# Allegro board LAY-27392_C.brd (continued)
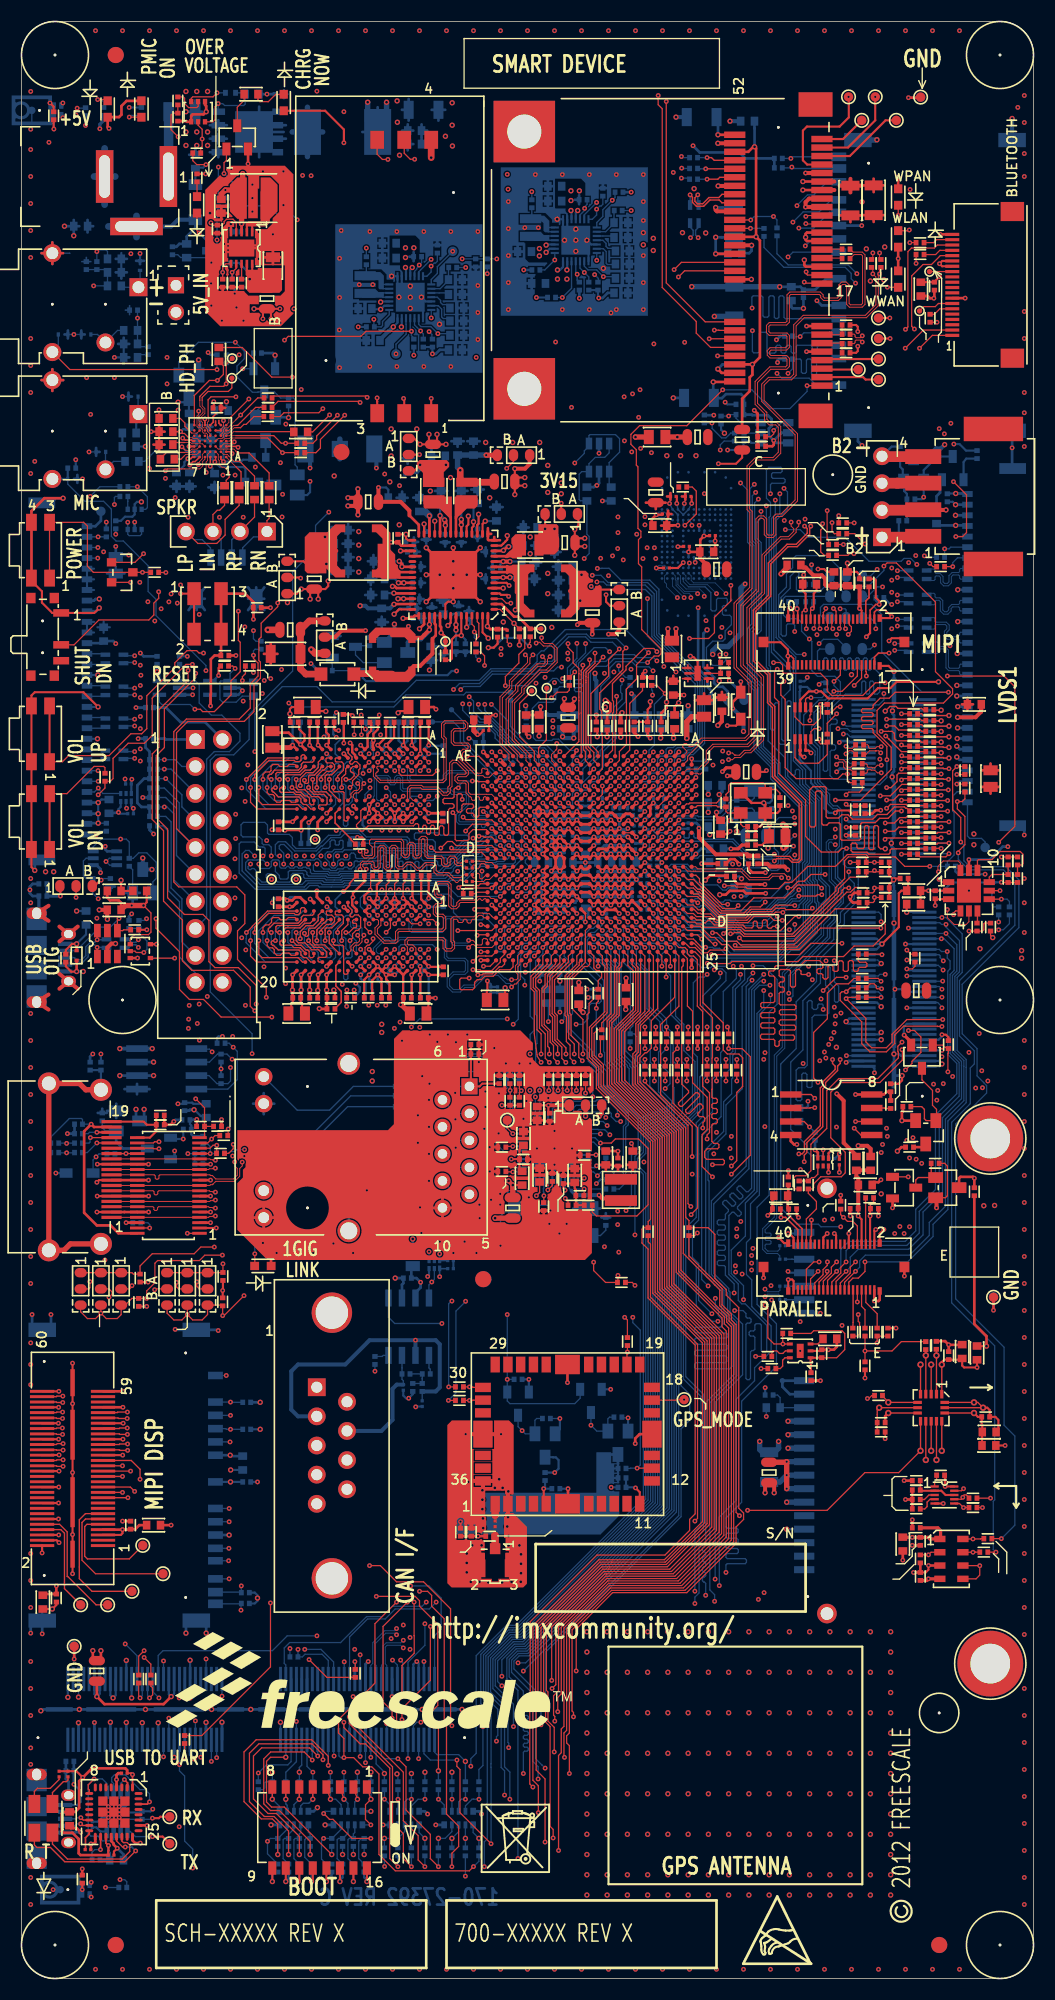
[diagram p0: board, top side]
## Nets (continued)
JTAG_NTRST: J6.3 R603.2 U1.C2(J\T\A\G\_\T\R\S\T\)
JTAG_PWR: J6.2 SH502.2
JTAG_RTCK: J6.11 R609.1
JTAG_TCK: J6.9 R608.1 U1.H5(JTAG_TCK)
JTAG_TDI: J6.5 R606.2 U1.G5(JTAG_TDI)
JTAG_TDO: J6.13 R611.2 U1.G6(JTAG_TDO)
JTAG_TMS: J6.7 R607.2 U1.C3(JTAG_TMS)
JTAG_VREF: J6.1 R601.2
KEY_COL4: J508.50 R36.1 R211.1 U1.T6(KEY_COL4)
KEY_COL5: J508.52 R661.1 U1.P5(GPIO_19)
KEY_COL6: J508.56 R597.1 U1.T2(GPIO_9)
KEY_COL7: J508.58 R594.1 U1.R6(GPIO_4)
KEY_ROW2: R652.1 U1.W4(KEY_ROW2)
KEY_ROW4: J508.79 R210.1 R676.1 U1.V5(KEY_ROW4)
KEY_ROW5: J508.81 R300.1 U1.T4(GPIO_1)
KEY_ROW6: J508.35 R209.1 R588.1 U1.T1(GPIO_2)
KEY_ROW7: J508.27 R66.1 U1.R4(GPIO_5)
KEY_VOL_DN: R66.2 SW5.1 SW5.3
KEY_VOL_UP: R594.2 SW4.1 SW4.3
LCD_I2C_SCL: J504.31 R116.2
LCD_I2C_SDA: J504.29 R117.2
LD_WLAN_B: D7.C(CATHODE) R506.1
LD_WPAN_B: D6.C(CATHODE) R504.1
LD_WWAN_B: D8.C(CATHODE) R509.1
LDO_REG_FB: R34.1 R35.2 U9.5(ADJ)
LDO_REG_IN: C32.1 R32.2 U9.1(BIAS) U9.3(IN) U9.6(S\H\D\N\)
LDO_REG_OUT: C33.1 R35.1 R208.1 R598.3 U9.4(OUT)
LDO_USB_IN: C651.1 R301.2 R302.2 U1.D10(USB_H1_VBUS)
LED_1000_O: D11.A(ANODE) R641.2
LED_WLAN_B: J1.44(LED_WLAN#) R506.2
LED_WPAN_B: J1.46(LED_WPAN#) R504.2
LED_WWAN_B: J1.42(LED_WWAN#) R509.2
LRCLK1: R13.2 U7.D3(LRCLK)
LVDS0_5V: C598.1 J503.20 J503.21 J503.24 J503.25 J503.26 R582.2
LVDS0_CLK_N: L515.1 U1.V4(LVDS0_CLK_N)
LVDS0_CLK_NEG: J503.17 L515.2
LVDS0_CLK_P: L515.4 U1.V3(LVDS0_CLK_P)
LVDS0_CLK_POS: J503.18 L515.3
LVDS0_EDID_SCL: J503.6 R174.2
LVDS0_EDID_SDA: J503.7 R176.2
LVDS0_TOUCH_SCL: J503.27 R172.2
LVDS0_TOUCH_SDA: J503.28 R177.2
LVDS0_TX0_N: L518.1 U1.U2(LVDS0_TX0_N)
LVDS0_TX0_NEG: J503.8 L518.2
LVDS0_TX0_P: L518.4 U1.U1(LVDS0_TX0_P)
LVDS0_TX0_POS: J503.9 L518.3
LVDS0_TX1_N: L517.1 U1.U4(LVDS0_TX1_N)
LVDS0_TX1_NEG: J503.11 L517.2
LVDS0_TX1_P: L517.4 U1.U3(LVDS0_TX1_P)
LVDS0_TX1_POS: J503.12 L517.3
LVDS0_TX2_N: L516.1 U1.V2(LVDS0_TX2_N)
LVDS0_TX2_NEG: J503.14 L516.2
LVDS0_TX2_P: L516.4 U1.V1(LVDS0_TX2_P)
LVDS0_TX2_POS: J503.15 L516.3
LVDS1_5V: C34.1 J502.20 J502.21 J502.24 J502.25 J502.26 R68.2
LVDS1_CLK_N: L514.1 U1.Y3(LVDS1_CLK_N)
LVDS1_CLK_NEG: J502.17 L514.2
LVDS1_CLK_P: L514.4 U1.Y4(LVDS1_CLK_P)
LVDS1_CLK_POS: J502.18 L514.3
LVDS1_EDID_SCL: J502.6 R580.2
LVDS1_EDID_SDA: J502.7 R23.2
LVDS1_TOUCH_SCL: J502.27 R63.2
LVDS1_TOUCH_SDA: J502.28 R71.2
LVDS1_TX0_N: L511.1 U1.Y1(LVDS1_TX0_N)
LVDS1_TX0_NEG: J502.8 L511.2
LVDS1_TX0_P: L511.4 U1.Y2(LVDS1_TX0_P)
LVDS1_TX0_POS: J502.9 L511.3
LVDS1_TX1_N: L512.1 U1.AA2(LVDS1_TX1_N)
LVDS1_TX1_NEG: J502.11 L512.2
LVDS1_TX1_P: L512.4 U1.AA1(LVDS1_TX1_P)
LVDS1_TX1_POS: J502.12 L512.3
LVDS1_TX2_N: L513.1 U1.AB1(LVDS1_TX2_N)
LVDS1_TX2_NEG: J502.14 L513.2
LVDS1_TX2_P: L513.4 U1.AB2(LVDS1_TX2_P)
LVDS1_TX2_POS: J502.15 L513.3
LVDS_2V5: C39.1 C632.1 R600.2 U1.V7(NVCC_LVDS2P5)
MCLK_1V8: R158.2 R159.2 U15.4(B)
MECHPAD: CON500.5(SIDE1) CON500.6(SIDE2)
MIC: C14.1 L509.1
MIC_IN: C14.2 U7.F6(IN3R)
MIC_RAW: J4.4 L509.2 TVS504.2(A2)
MICBIAS: C549.1 R564.2 U7.A4(MICBIAS)
MICBIAS2_FLT: L507.1 R564.1
MICBIAS2_RAW: J4.1 L507.2 TVS503.2(A2)
MICROPHONE_DET: J4.6 R568.2 R597.2 TVS505.2(A2)
MIPI_I2C_SCL: J11.21 R173.2
MIPI_I2C_SDA: J11.23 R175.2
MPCIE_1V5: C503.1 C535.1 J1.6(1.5V_1) J1.28(1.5V_2) J1.48(1.5V_3) SH2.2
MPCIE_3V3: C2.1 C3.1 C16.1 C502.1 C516.1 C522.1 C537.1 C538.2 D6.A(ANODE) D7.A(ANODE) D8.A(ANODE) J1.2(3.3V_1) J1.24(+3.3VAUX) J1.39(RESERVED4) J1.41(RESERVED5) J1.52(3.3V_2) R560.2 U508.2(V_OUT_C1_2) U508.3(V_OUT_C1_1)
MX6_ONOFF: R22.1 U1.D12(ONOFF)
NVCC_3V3: C630.1 C636.1 C684.1 C693.1 C709.1 C725.1 R727.2 U1.G14(NVCC_SD3) U1.G15(NVCC_NANDF) U1.G17(NVCC_SD2) U1.J7(NVCC_JTAG) U1.P7(NVCC_GPIO) U1.P19(NVCC_LCD)
NVCC_CSI: C629.1 R45.2 U1.N7(NVCC_CSI)
NVCC_EIM: C69.1 C724.1 C730.1 R625.2 U1.K19(NVCC_EIM0) U1.L19(NVCC_EIM1) U1.M19(NVCC_EIM2)
NVCC_MIPI: C637.1 R47.2 U1.K7(NVCC_MIPI)
NVCC_PLL_OUT: C605.1 C628.1 R208.2 U1.E8(NVCC_PLL_OUT)
NVCC_RGMII: C723.1 SH23.2 U1.G18(NVCC_RGMII)
NVCC_SD1: C695.1 R104.2 U1.G16(NVCC_SD1)
ONFET_CTL: D4.2(A2) R572.1 U509.3(G2) U509.6(D1)
OTG_PWR_ON: Q512.2(GATE2) Q512.3(DRAIN1) R103.2
OTG_PWR_ON_B: Q512.6(DRAIN2) Q513.1(GATE) R615.2
OTG_SHELL_GND: C697.1 J505.S1(SHLD1) J505.S2(SHLD2) J505.S3(SHLD3) J505.S4(SHLD4) R620.1
OTG_VBUS: C61.1 C62.1 L15.1 Q513.2(SOURCE) Q514.2(SOURCE) R615.1 R617.1 R644.1 U13.1(OE) U515.5(OUTB)
OTG_VBUS_CHGR: C528.1 C529.1 Q513.3(DRAIN) R534.1 R535.1 R537.1 R538.1
OVPROT_5V: D501.C D502.A(ANODE) Q6.5(D)
OVPROT_5VA: D503.C(CATHODE) R3.1 R505.2
OVPROT_5VB: Q1.2(BASE) R3.2
OVPROT_5VC: D500.A(ANODE) Q1.6(COLLECTOR) R520.2
OVPROT_5VD: Q1.5(BASE) R1.2
OVPROT_5VE: D500.C(CATHODE) Q1.3(COLLECTOR) Q6.4(G) R500.1
OVRPRTC: Q503.1(GATE) R520.1 R524.1
OVRPRTC_LED: D5.C(CATHODE) Q503.3(DRAIN)
OVRPRTC_LED_PWR: D5.A(ANODE) R303.2
PCI3_UIM_CLK: CON1.3(CLK) J1.12(UIM_CLK)
PCIE_CREFCLKM: C12.2 J1.11(REFCLK-) R8.1
PCIE_CREFCLKP: C11.2 J1.13(REFCLK+) R6.1
PCIE_CRXM: C7.2 J1.23(PERN0)
PCIE_CRXP: C6.2 J1.25(PERP0)
PCIE_CTXM: C4.2 J1.31(PETN0)
PCIE_CTXP: C5.2 J1.33(PETP0)
PCIE_DIS_B: J1.20(W_DISABLE#) R36.2
PCIE_PWR_EN: R123.1 R563.1
PCIE_PWR_ON: R559.1 R562.2 R563.2 U508.5(ON_OFF)
PCIE_PWR_R1: C538.1 R567.2 U508.6(R1_C1)
PCIE_PWR_R2: R15.1 U508.1(R2)
PCIE_REXT: R604.1 U1.A2(PCIE_REXT)
PCIE_RST_B: J1.22(PERST#) R596.2
PCIE_RXM: C7.1 U1.B1(PCIE_RXM)
PCIE_RXP: C6.1 U1.B2(PCIE_RXP)
PCIE_SMB_CLK: J1.30(SMB_CLK) R521.2
PCIE_SMB_DATA: J1.32(SMB_DATA) R517.2
PCIE_TXM: C4.1 U1.A3(PCIE_TXM)
PCIE_TXP: C5.1 U1.B3(PCIE_TXP)
PCIE_UIM_DATA: CON1.6(I/O) J1.10(UIM_DATA)
PCIE_UIM_PWR: CON1.1(VCC) J1.8(UIM_PWR)
PCIE_UIM_RST: CON1.2(RESET) J1.14(UIM_RESET)
PCIE_UIM_VPP: CON1.5(VPP) J1.16(UIM_VPP)
PCIE_USB_DM: J1.36(USB_D-) L500.2
PCIE_USB_DP: J1.38(USB_D+) L500.3
PCIE_VP: C608.1 C635.1 R49.2 U1.H7(PCIE_VP)
PCIE_VPH: C607.1 C626.1 R50.2 U1.G7(PCIE_VPH)
PCIE_VPTX: C606.1 C640.1 L13.2 U1.G8(PCIE_VPTX)
PCIE_WAKE_B: J1.1(WAKE#) U1.P3(CSI0_DATA_EN)
PENIRQ_B: R110.2 U11.6(T\I\R\Q\)
PHY_CLKO: R626.1 U516.25(CLK_25M)
PHY_RST: R161.2 R659.2 U516.2(R\S\T\)
PHY_RX_CLK: R146.1 R634.2 U516.33(RX_CLK)
PHY_XTLI: C750.1 U516.7(XTLI) Y500.3
PHY_XTLO: C748.1 U516.6(XTLO) Y500.1
PMIC_5V: C742.1 C743.1 R68.1 R302.1 SH14.1 SH15.1 U16.1(5V_SUPPLY) U515.7(IN)
PMIC_INT_B: R28.2 U1.P6(GPIO_18) U8.1(INTB)
PMIC_LED_ON: D2.A(ANODE) R507.2
PMIC_ON_REQ: R30.2 R572.2 U1.D11(PMIC_ON_REQ) U509.2(S2)
PMIC_SCL: R306.2 U8.54(SCL)
PMIC_SDA: R550.2 U8.53(SDA)
PMIC_STBY_REQ: U1.F11(PMIC_STBY_REQ) U8.4(STANDBY)
PMIC_VCORE: C592.1 U8.49(VCORE)
PMIC_VCOREREF: C594.1 U8.52(VCOREREF)
PMIC_VDDOTP: C601.1 R33.2 R591.1 TP14.1(PIN1) U8.47(VDDOTP)
PMIC_VHALF: C24.2 C565.1 U8.29(VHALF)
PMIC_VSNVS: C596.1 R598.1 U8.43(VSNVS)
POR_B: U1.C11(P\O\R\) U8.3(RESETBMCU) U513.4(Y)
PWR_BTN_SNS: D4.1(A1) U1.J19(EIM_D29)
PWR_LED: D1.A(ANODE) R501.2
PWRON: C597.1 R30.1 R31.2 R304.2 R571.1 SW2.3 SW2.4 U8.56(PWRON) U507.4(Y) U509.1(G1) U509.4(D2)
RAW_3V3: L510.1 Q509.3(DRAIN)
RAW_4V2: L508.1 Q506.3(DRAIN)
RGMII_INT: R163.2 U1.W22(ENET_RXD1) U516.5(INT)
RGMII_LED_10_100: C741.1 R640.1 U516.26(LED_LINK10_100)
RGMII_LED_1000: C740.1 R141.1 R148.2 R641.1 U516.24(LED_LINK1000)
RGMII_LED_ACT: C739.1 R140.1 R147.2 R642.1 U516.23(LED_ACT)
RGMII_MDC: U1.V20(ENET_MDC) U516.1(MDC)
RGMII_MDIO: R657.2 U1.V23(ENET_MDIO) U516.48(MDIO)
RGMII_NRST: R659.1 U1.U21(ENET_CRS_DV)
RGMII_RXCLK: R634.1 U1.B25(RGMII_RXC)
RGMII_RXD0: R144.1 R636.2 U1.C24(RGMII_RD0) U516.31(RXD0)
RGMII_RXD1: R143.1 R638.2 U1.B23(RGMII_RD1) U516.30(RXD1)
RGMII_RXD2: R142.1 U1.B24(RGMII_RD2) U516.28(RXD2)
RGMII_RXD3: R631.1 U1.D23(RGMII_RD3) U516.27(RXD3)
RGMII_RXDV: R145.1 U1.D22(RGMII_RX_CTL) U516.32(RX_DV)
RGMII_TRXN0: J7.9(TRD1-) U516.12(TRXN0)
RGMII_TRXN1: J7.8(TRD2-) U516.15(TRXN1)
RGMII_TRXN2: J7.7(TRD3-) U516.18(TRXN2)
RGMII_TRXN3: J7.6(TRD4-) U516.21(TRXN3)
RGMII_TRXP0: J7.5(TRD1+) U516.11(TRXP0)
RGMII_TRXP1: J7.4(TRD2+) U516.14(TRXP1)
RGMII_TRXP2: J7.3(TRD3+) U516.17(TRXP2)
RGMII_TRXP3: J7.2(TRD4+) U516.20(TRXP3)
RGMII_TXCLK: U1.D21(RGMII_TXC) U516.35(GTX_CLK)
RGMII_TXD0: U1.C22(RGMII_TD0) U516.36(TXD0)
RGMII_TXD1: U1.F20(RGMII_TD1) U516.37(TXD1)
RGMII_TXD2: U1.E21(RGMII_TD2) U516.38(TXD2)
RGMII_TXD3: U1.A24(RGMII_TD3) U516.39(TXD3)
RGMII_TXEN: U1.C23(RGMII_TX_CTL) U516.34(TX_EN)
RJ45_LED_10_100: J7.11(LEDGA) R640.2
RJ45_LED_ACT: J7.13(LEDYA) R642.2
RSVD: J506.P11(RSVD)
RTC_XTALI: C624.1 QZ500.1 R610.1 U1.D9(RTC_XTALI)
RTC_XTALO: C639.1 QZ500.2 R610.2 U1.C9(RTC_XTALO)
RXD232: U22.2(RXD) U519.3(2Y)
RXLED: D12.2(CATHODE1) U22.21(CBUS1)
SATA_5V_CON: C762.1 J506.P7(5V_1) J506.P8(5V_2) J506.P9(5V_3) SH25.2
SATA_DEVSLP: R676.2 SH505.1
SATA_DS: J506.P3(3V3_3) R666.2 SH505.2
SATA_RET: J506.P1(3V3_1) J506.P2(3V3_2) TP507.1(PIN1)
SATA_REXT: R619.1 U1.C14(SATA_REXT)
SATA_RXN: C756.1 U1.A14(SATA_RXM)
SATA_RXN_CON: C756.2 J506.S5(RXN)
SATA_RXP: C757.1 U1.B14(SATA_RXP)
SATA_RXP_CON: C757.2 J506.S6(RXP)
SATA_TXN: C752.1 U1.B12(SATA_TXM)
SATA_TXN_CON: C752.2 J506.S3(TXN)
SATA_TXP: C751.1 U1.A12(SATA_TXP)
SATA_TXP_CON: C751.2 J506.S2(TXP)
SATA_VP: C678.1 C681.1 R96.2 U1.G13(SATA_VP)
SATA_VPH: C668.1 C673.1 R87.2 U1.G12(SATA_VPH)
SD2_3V3: C524.1 C525.1 C769.1 J500.4(VDD) R17.2 R502.1 R503.1 R544.1 SH3.2
SD2_CD_B: J500.14(CD) R503.2 U1.F16(NANDF_D2)
SD2_CLK: J500.5(CLK) U1.C21(SD2_CLK)
SD2_CMD: J500.2(CMD) R544.2 U1.F19(SD2_CMD)
SD2_DATA0: J500.7(DAT0) U1.A22(SD2_DAT0)
SD2_DATA1: J500.8(DAT1) U1.E20(SD2_DAT1)
SD2_DATA2: J500.9(DAT2) U1.A23(SD2_DAT2)
SD2_DATA3: J500.1(DAT3) R549.1 U1.B22(SD2_DAT3)
SD2_DATA4: J500.10(DAT4) U1.A19(NANDF_D4)
SD2_DATA5: J500.11(DAT5) U1.B18(NANDF_D5)
SD2_DATA6: J500.12(DAT6) U1.E17(NANDF_D6)
SD2_DATA7: J500.13(DAT7) U1.C18(NANDF_D7)
SD2_WP: J500.15(WP) R502.2 U1.D17(NANDF_D3)
SD3_CD_B: J507.14(CD) R674.2 U1.A18(NANDF_D0)
SD3_CLK: J507.5(CLK) U1.D14(SD3_CLK)
SD3_CMD: J507.2(CMD) R670.2 U1.B13(SD3_CMD)
SD3_DATA0: J507.7(DAT0) U1.E14(SD3_DAT0)
SD3_DATA1: J507.8(DAT1) U1.F14(SD3_DAT1)
SD3_DATA2: J507.9(DAT2) U1.A15(SD3_DAT2)
SD3_DATA3: J507.1(DAT3) R667.1 U1.B15(SD3_DAT3)
SD3_DATA4: J507.10(DAT4) U1.D13(SD3_DAT4)
SD3_DATA5: J507.11(DAT5) U1.C13(SD3_DAT5)
SD3_DATA6: J507.12(DAT6) U1.E13(SD3_DAT6)
SD3_DATA7: J507.13(DAT7) U1.F13(SD3_DAT7)
SD3_RST: R553.2 U1.D15(SD3_RST)
SD3_WP: J507.15(WP) R675.2 U1.C17(NANDF_D1)
SD4_CLK: U1.E16(SD4_CLK) U512.W6(CLK)
SD4_CMD: R20.2 U1.B17(SD4_CMD) U512.W5(CMD)
SD4_DATA0: U1.D18(SD4_DAT0) U512.H3(DAT0)
SD4_DATA1: U1.B19(SD4_DAT1) U512.H4(DAT1)
SD4_DATA2: U1.F17(SD4_DAT2) U512.H5(DAT2)
SD4_DATA3: U1.A20(SD4_DAT3) U512.J2(DAT3)
SD4_DATA4: U1.E18(SD4_DAT4) U512.J3(DAT4)
SD4_DATA5: U1.C19(SD4_DAT5) U512.J4(DAT5)
SD4_DATA6: U1.B20(SD4_DAT6) U512.J5(DAT6)
SD4_DATA7: U1.D19(SD4_DAT7) U512.J6(DAT7)
SDWNB: R29.2 TP13.1(PIN1) U8.2(SDWNB)
SEN_1V8: L20.1 R160.1
SEN_3V3: L21.1 R155.1 R191.1 R197.1 R201.1
SENS1V8_ON: Q4.3(DRAIN) Q5.1(GATE) R156.2
SENS3V3_ON: Q2.3(DRAIN) Q3.1(GATE) R150.2
SENSOR1V8: Q5.3(DRAIN) R160.2
SENSOR3V3: Q3.3(DRAIN) R155.2
SENSOR_PWR_EN: Q2.1(GATE) Q4.1(GATE) R130.1 R136.1
SHUTDOWN: R1.1 R2.2 SW3.2(COM)
SPDIF_CLK: J504.38 R114.1 U1.R3(GPIO_7)
SPDIF_OUT: J504.40 R596.1 U1.R1(GPIO_17)
SPI_NOR_HOLD_B: R149.2 U14.7(H\O\L\D\)
SPI_NOR_WP: R643.2 R646.1 U14.3(W\/VPP)
SPINOR_CLK: R213.1 R590.1 U14.6(C)
SPINOR_CS0: R214.1 R583.1 U14.1(S\)
SPINOR_MISO: R215.1 R584.1 U14.2(Q)
SPINOR_MOSI: R212.1 R586.1 U14.5(D)
SPKLN: CON4.3 CON500.3 L4.2
SPKLP: CON4.4 CON500.4 L5.2
SPKOUTLN: L4.1 U7.B3(SPKOUTLN)
SPKOUTLP: L5.1 U7.A1(SPKOUTLP)
SPKOUTRN: L7.1 U7.C3(SPKOUTRN)
SPKOUTRP: L6.1 U7.B2(SPKOUTRP)
SPKRN: CON4.1 CON500.1 L7.2
SPKRP: CON4.2 CON500.2 L6.2
SPKVDD: C541.1 L508.2 U7.A2(SPKVDD1) U7.C2(SPKVDD2)
SW1CLX: L8.1 U8.11(SW1CLX)
SW1LX: L11.1 U8.8(SW1ALX) U8.9(SW1BLX)
SW2LX: L2.1 U8.22(SW2LX)
SW3_1V5: C560.1 C566.1 C571.1 C577.1 L9.2 R25.1 SH12.3
SW3LX: L9.1 U8.35(SW3BLX) U8.36(SW3ALX)
SW4LX: L3.1 U8.21(SW4LX)
SWBST_5V: C31.1 D9.C SH14.3 SH15.2
SWBST_FB: SH14.2 U8.44(SWBSTFB)
SWBST_PWR_EN: Q510.1(GATE) R592.2 R632.2
SWBST_SUP: C589.1 C593.1 L12.2 Q511.3(DRAIN) U8.45(SWBSTIN)
SWBST_SW: Q510.3(DRAIN) Q511.1(GATE) R589.2
SWBSTLX: D9.A L12.1 U8.46(SWBSTLX)
SYS_4V2: C10.1 C116.1 C117.1 C501.1 C505.1 C506.1 C520.1 C521.1 C530.1 C551.1 C552.1 C563.1 C564.1 C568.1 C569.1 C572.1 C573.1 C575.1 C576.1 C578.1 C579.1 C580.1 C582.1 C586.1 C599.1 D502.C(CATHODE) J11.5 J11.7 J508.65 J508.67 J508.69 J508.71 L1.1 Q506.2(SOURCE) Q511.2(SOURCE) R32.1 R83.1 R501.1 R557.1 R589.1 SH22.1 SH26.1 U6.3(BATT) U8.7(SW1AIN) U8.10(SW1BIN) U8.12(SW1CIN) U8.20(SW4IN) U8.23(SW2IN_1) U8.24(SW2IN_2) U8.34(SW3BIN) U8.37(SW3AIN) U8.40(VIN3) U8.50(VIN) U502.23(SYS2) U502.24(SYS1) U503.23(SYS2) U503.24(SYS1)
TAMPER: R97.2 R98.1 U1.E11(TAMPER)
TEST_MODE: R94.2 R95.1 U1.E12(TEST_MODE)
TP7: J11.9 TP21.1(PIN1)
TP8: J11.10 TP25.1(PIN1)
TP9: J11.11 TP22.1(PIN1)
TP10: J11.8 TP24.1(PIN1)
TP11: J11.13 TP23.1(PIN1)
TP23: J503.30 TP503.1(PIN1)
TP25: TP18.1(PIN1) U516.22(PPS)
TP26: J1.5(RESERVED2) TP9.1(PIN1)
TP27: J1.7(CLKREQ#) TP8.1(PIN1)
TP28: J1.3(RESERVED1) TP12.1(PIN1)
TP29: J1.17(RESERVED/UIM_C8) TP7.1(PIN1)
TP30: J1.19(RESERVED/UIM_C4) TP6.1(PIN1)
TP31: J1.45(RESERVED7) TP2.1(PIN1)
TP31_16767721: TP31.1(PIN1) U1.W1(LVDS0_TX3_P)
TP32: J1.47(RESERVED8) TP5.1(PIN1)
TP32_16767721: TP32.1(PIN1) U1.W2(LVDS0_TX3_N)
TP33: J1.49(RESERVED9) TP4.1(PIN1)
TP34: J1.51(RESERVED10) TP3.1(PIN1)
TP35: J502.30 TP504.1(PIN1)
TP38: TP502.1(PIN1) U503.19(U\O\K\)
TP40: TP501.1(PIN1) U503.8(D\O\K\)
TP509: TP509.1(PIN1) U1.AA3(LVDS1_TX3_N)
TP510: TP510.1(PIN1) U1.AA4(LVDS1_TX3_P)
TP_404: C80.1 C81.1 C82.1 J7.1(TRDCT1/2/3/4) TP505.1(PIN1)
TS_A0: R92.1 R101.2 U11.9(A0)
TS_A1: R93.1 R102.2 U11.10(A1)
TS_INT: R110.1 R111.2 R128.1
TS_PWR_ON: Q507.1(GATE) R566.2
TS_SCL: R622.2 U11.8(SCL)
TS_SDA: R621.2 U11.7(SDA)
TS_XN: J504.101 J508.101 R55.2
TS_XP: J504.99 J508.99 R58.2
TS_YN: J504.97 J508.97 R61.2
TS_YP: J504.95 J508.95 R64.2
TXD233: U22.30(TXD) U519.2(1A)
TXLED: D12.4(CATHODE2) U22.22(CBUS0)
UART1_RX: R694.2 TP27.1(PIN1) U1.M3(CSI0_DAT11) U519.6(1Y)
UART1_TX: TP28.1(PIN1) U1.M1(CSI0_DAT10) U519.5(2A)
UART3_RXD: R126.1 R192.1
UART3_TXD: R127.1 R194.1
UOK_B: R542.2 U1.W21(ENET_RXD0) U13.4(Y) U502.19(U\O\K\)
USB_BAT_CHG: R103.3 R617.2
USB_CBL_ATT: R723.2 R724.1 U13.2(A)
USB_H1_OC: R134.1 R629.2 U515.2(\\F\L\G\A\)
USB_H1_PWR_EN: U1.W20(ENET_TXD1) U515.1(ENA)
USB_H1_VBUS: R301.1 U515.8(OUTA)
USB_HOST_DN: L500.1 U1.F10(USB_H1_DN)
USB_HOST_DP: L500.4 U1.E10(USB_H1_DP)
USB_OTG_CHG_DE: Q512.5(GATE1) R618.1
USB_OTG_CON_DN: J505.2(P2) L520.2 U12.1(I/O1)
USB_OTG_CON_DP: J505.3(P3) L520.3 U12.6(I/O6)
USB_OTG_CON_GND: C66.2 J505.5(P5) L519.2 TVS1.2(A2)
USB_OTG_CON_VBUS: C66.1 J505.1(P1) L15.2 TVS1.1(A1)
USB_OTG_DN: L520.1 U1.B6(USB_OTG_DN)
USB_OTG_DP: L520.4 U1.A6(USB_OTG_DP)
USB_OTG_ID: J505.4(P4) R112.2 U1.W23(ENET_RX_ER) U12.4(I/O4)
USB_OTG_OC: R125.1 R639.2 U515.3(\\F\L\G\B\)
USB_OTG_PWR_EN: R137.1 R618.2 R628.1 R723.1 U515.4(ENB)
USB_OTG_VBUS: C642.1 Q514.3(DRAIN) U1.E9(USB_OTG_VBUS)
USB_SUSPEND_B: U22.9(CBUS4) U519.1(1OE) U519.7(2OE)
USR_DEF_RED_LED: R523.1 R588.2
VCOREDIG: C600.1 R33.1 U8.51(VCOREDIG)
VGEN1_1V5: C556.1 J508.111 J508.113 J508.115 Q519.2(SOURCE) R669.1 SH2.1 SH23.3 U8.16(VGEN1)
VGEN2_1V5: C550.1 R157.1 R726.1 U8.18(VGEN2)
VGEN3_2V5: C554.1 J504.3 L25.2 L26.2 R85.1 U8.26(VGEN3)
VGEN4_1V8: C553.1 SH9.2 U8.28(VGEN4)
VGEN5_2V8: C584.1 L10.2 L17.2 R507.1 SH17.1 U8.39(VGEN5)
VGEN6_3V3: C595.1 SH24.1 U8.41(VGEN6)
VMIDC: C17.1 U7.C5(VMIDC)
VSNVS_3V0: C657.1 D10.C R29.1 R31.1 R94.1 R97.1 R106.1 R109.1 R304.1 R598.2 U1.G11(VDD_SNVS_IN)
WDOG_B: C504.1 R300.2
WDOG_BUF: C504.2 R19.2 U507.1(O\E\)
WOW: J13.13 TP30.1(PIN1)
XN: R55.1 U11.4(X-)
XP: R58.1 U11.1(X+)
YN: R61.1 U11.5(Y-)
YP: R64.1 U11.12(Y+)
ZQPAD: R107.1 U1.AE17(ZQPAD)

Pads without a net: J5 3 10 11 12 13 15 19 21 23 25 27 29 31 33 35 37; J8 14; J9 3 12 16 18 22 24 28 30 35 37; J10 1 3 4 8 9; J11 1 3 14 15 16 17 20 22 25 26 27 28 32 34 38 40 44 46 50 52 55 56 57 58; J13 3 4 5 9 10 11 12; J504 7 9 10 14 15 16 20 21 22 23 27 37 51 55 57 61 73 75 77 83 111 113 115 118 119 120; J506 M1 M2; J508 2 3 4 7 8 9 10 14 15 16 20 21 22 26 28 32 34 51 55 57 61 73 75 77 83 117; J509 4; SW3 3; U1 A9 A10 A11 AA11 AB17 AD17 B8 B9 B10 B11 C5 D5 E1 E2 F1 F2 R2; U2 J1 J9 L1 L9; U3 J1 J9 L1 L9; U4 J1 J9 L1 L9; U5 J1 J9 L1 L9; U7 C4 D5 E3 E5 E6 E7 F5 F7; U8 33; U12 3 5; U15 5; U18 3; U19 3 4 7 8 9 10 12 14 16 18 19 21 22 23 25 26 27 28 29 32 34 35; U22 3 5 6 7 8 10 11 12 13 23 25 27 28 29 31 32; U512 A4 A6 A9 A11 AA1 AA2 AA7 AA8 AA9 AA10 AA11 AA12 AA13 AA14 AE1 AE14 AG2 AG13 AH4 AH6 AH9 AH11 B2 B13 D1 D14 H1 H2 H6 H7 H8 H9 H10 H11 H12 H13 H14 J1 J7 J8 J9 J10 J11 J12 J13 J14 K1 K3 K5 K7 K8 K9 K10 K11 K12 K13 K14 L1 L2 L3 L4 L12 L13 L14 M1 M2 M3 M5 M8 M9 M10 M12 M13 M14 N1 N2 N3 N10 N12 N13 N14 P1 P2 P3 P10 P12 P13 P14 R1 R2 R3 R5 R12 R13 R14 T1 T2 T3 T5 T12 T13 T14 U1 U2 U3 U5 U6 U7 U10 U12 U13 U14 V1 V2 V3 V12 V13 V14 W1 W2 W3 W7 W8 W9 W10 W11 W12 W13 W14 Y1 Y3 Y6 Y7 Y8 Y9 Y10 Y11 Y12 Y13 Y14; U514 5; U516 42 43 45 46; U517 5

## Via types
v1: diameter 0.457, hole 0.203, TOP to BOTTOM, 2665 vias
v2: diameter 0.508, hole 0.254, TOP to BOTTOM, 661 vias
v3: diameter 0.61, hole 0.305, TOP to BOTTOM, 16 vias
v4: diameter 0.508, hole 0.257, TOP to BOTTOM, 15 vias
v5: diameter 0.457, hole 0.206, TOP to BOTTOM, 5 vias

## Routing (per net, layer and track width the routed paths; a pad name or vN(x,y) marks a point on that pad's centre or on a via; arc(x,y) is an arc through that point)
2V5_RGMII: length 14.5
  TOP w0.119: C96.1 48.77,73.97 v1(48.46,73.66) ; R147.1 v1(45.22,82.18)
  TOP w0.127: R147.1 R148.1
  L6_INT_2 w0.114: v1(48.46,73.66) 48.46,74.73 47.37,75.82 47.37,79.5 45.97,80.9 45.97,81.42 v1(45.22,82.18)
  BOTTOM w0.127: v1(48.46,73.66) 48.76,73.96 48.76,75.06 U516.10
5V_DC_JACK: length 6.1
  BOTTOM w0.889: P1.1 13.86,169.57 F500.1
5V_IN: length 31.1
  TOP w0.203: v1(17.35,169.79) R303.1
  TOP w0.254: R2.1 15.53,174.76 15.6,174.69 Q1.1 15.99,175.24 16.13,175.39 17.14,175.39 v2(17.4,175.64) 17.4,176.18 17.29,176.29 Q1.4
  L4_PWR_1 w0.584: 15.25,160 J501.1 15.25,158.61
  BOTTOM w0.203: U502.3 51.77,166.29 v2(51.71,166.34) ; v2(36.14,160.99) 36.2,160.93 U503.3 ; J504.8 v1(86.61,87.34) ; U502.4 52.17,166.16 v2(52.35,166.34) ; v2(36.78,160.99) 36.6,160.8 U503.4 ; J504.2 86.4,85.84 v2(86.61,86.06) 86.32,86.35 86.31,86.34 J504.4
  BOTTOM w0.254: R516.1 36.91,162.42 ; R516.1 36.91,161.58 ; R516.1 36.52,162 ; Q6.3 18.54,174.84 ; Q6.3 17.74,174.37 ; Q6.3 18.54,173.9 ; Q6.3 19.34,174.37 ; 18.54,172.63 Q6.2 ; Q6.2 18.54,173.57 ; Q6.2 17.74,173.1 ; Q6.2 19.34,173.1 ; F500.2 17.03,175.64 ; F500.2 16.36,174.58 ; F500.2 15.7,175.64 ; F500.2 16.36,176.71 ; R505.1 16.38,172.11 ; R505.1 15.8,171.59 ; R505.1 16.97,171.59 ; R515.1 52.48,167.78 ; R515.1 52.09,167.36 ; R515.1 52.48,166.94 ; Q6.1 18.54,172.3 ; Q6.1 18.54,171.36 ; Q6.1 17.74,171.83 ; Q6.1 19.34,171.83
  vias: v2(15.49,177.55) v2(15.49,175.64) v2(15.49,173.74) v2(15.49,172.47) v2(16.51,177.55) v2(16.51,173.74) v2(16.51,172.47) v2(17.53,177.55) v2(17.53,173.74) v2(17.53,172.47) v2(36.14,162.84) v2(36.14,161.93) v2(36.93,162.84) v2(51.71,168.2) v2(51.71,167.28) v2(52.5,168.2)
AVDD: length 3.9
  TOP w0.076: 15.69,145.03 15.75,144.97 16.1,144.97 16.17,144.9 16.53,144.9 U7.D6
  TOP w0.119: v1(14.99,145.54) 15.15,145.37 15.35,145.37 15.69,145.03
  TOP w0.152: v1(14.99,145.54) C15.1
  BOTTOM w0.203: L506.2 15.61,145.77 15.21,145.77 v1(14.99,145.54)
DVDDL_RGMII: length 6.5
  TOP w0.254: 55.71,76.46 C93.1 ; C93.1 56.55,76.46 ; C93.1 56.13,76.07 ; 54.41,76.57 C91.1 ; C91.1 55.58,76.57 ; C91.1 54.99,76.04 ; 57.53,76.04 L16.1 56.95,76.57
  BOTTOM w0.127: U516.47 53.95,76.3 v1(54.12,76.48)
  BOTTOM w0.254: R654.1 54.99,76.71 54.76,76.48 v1(54.12,76.48)
GND: length 1654.1
  TOP w0.076: U7.F2 18.78,145.79 19.02,146.03 v1(19.02,146.58)
  TOP w0.119: J5.20 76.65,128.65 v1(76.4,128.91) ; v1(44.27,102.61) 41.78,102.61 41.59,102.42 R107.2 ; v1(65.71,124.54) 65.71,123.9 R34.2 ; v1(77.8,126.47) 78.09,126.76 78.09,127.19 77.9,127.38 77.9,127.86 J5.14 ; R93.2 R92.2 v1(92.21,105.53) ; J5.32 74.25,128.74 v1(74.42,128.91) ; v1(75.69,128.91) 75.69,128.78 75.45,128.54 J5.26 ; U1.E7 U1.D6
  TOP w0.127: U18.12 v3(86.1,48.81) ; U18.13 v3(86.6,49.67) ; C101.2 70.74,73.66 ; U18.5 v3(84.6,57.78) ; U18.16 v3(89.63,54.22) 89.98,54.22 v3(90.48,53.72) U18.15 ; U18.10 v3(85.1,48.81) ; U22.33 8.71,15.79 v5(9.22,16.19) ; v1(35.13,101.64) 35.13,103 35.33,103.19 C57.2 ; U18.8 v3(81.57,53.22)
  TOP w0.152: v1(72.12,124.43) 72.42,124.43 72.65,124.2 J5.39 ; J5.1 80.25,124.32 80.64,124.71 v1(81.64,124.71) ; J5.40 72.65,128.59 72.34,128.91 v2(72.31,128.91) ; U7.F3 U7.F2 ; U9.2 U9.7 ; v1(17.27,146.74) 17.28,146.43 U7.G5 ; J9.32 74.25,69.8 74.34,69.88 v1(74.34,71.37) ; v1(81.89,128.14) 81.25,128.78 80.48,128.78 80.25,128.56 J5.2
  TOP w0.178: v1(63.47,112.21) U1.A5 ; U1.B5 v1(62.67,112.21)
  TOP w0.203: C19.2 61.67,139.38 v1(61.67,138.79) ; J11.47 v1(9.59,52.26) ; C60.2 82.21,103.5 v2(82.07,103.37) ; v1(9.03,12.28) 8.72,11.97 C127.2 ; v1(19.08,162.43) 20.35,162.43 U6.11 ; J5.43 72.15,124.4 v1(72.12,124.43) 72.12,125.04 71.43,125.73 69.85,125.73 J5.45 ; v1(7.14,73.63) J8.5 ; C105.2 72.94,71.81 v1(73.12,71.63) ; J11.35 v1(9.54,49.26) ; v1(70.23,71.81) 70.67,72.25 C104.2 ; R6.2 78.54,155.58 78.7,155.42 v1(78.7,154.96) ; J9.40 72.65,69.71 72.26,70.1 v1(72.14,70.1) ; U6.11 20.35,163.2 v1(19.08,163.2) ; U6.11 20.98,163.07 v2(22.38,163.07) ; J9.42 80.75,70.09 v1(81.15,70.48) ; v2(7.34,128.96) 6.87,128.49 SW3.1 2.91,128.49 1.94,129.46 1.94,130.52 0.96,131.5 SW1.2 ; C124.2 v2(2.92,34.78) 3.3,35.16 C123.2 ; R103.1 3.68,102.74 v1(3.68,101.85) ; v1(7.12,72.13) J8.2 ; v1(75.94,59.18) C108.2 75.2,59.06 U17.2 ; v1(80.39,70.48) 80.25,70.35 J9.2 ; U9.7 63.63,123.95 63.25,124.33 63.01,124.33 v2(62.94,124.4) ; J11.60 v1(3.54,55.26) ; v1(44.63,118.87) 44.3,118.87 43.87,118.44 C38.2 43.99,118.32 C48.2 ; J5.42 81.75,128.01 v1(81.89,128.14) ; C23.2 65.28,135.75 v1(65.28,135.25) ; C36.2 36.05,119.25 35.62,119.25 v2(35.46,119.09) ; v2(40.64,129.54) 40.13,129.54 39.9,129.3 U8.48 ; U20.10 v1(86.91,46.31) ; v1(43.05,86.24) C81.2 C80.2 ; J11.41 v1(9.57,50.76) ; v2(82.07,103.37) 81.65,103.79 R98.2 R95.2 ; v2(82.07,103.37) 81.65,102.95 R105.2 R108.2 ; J8.8 7.32,75.13 v1(7.11,74.92) ; v1(14.99,130.3) 16.26,130.3 16.26,126.49 ; C51.2 71.37,109.91 71.13,109.67 Y1.2 ; J11.18 v1(3.51,44.75) ; v2(77.72,133.17) C28.2 78.6,132.35 78.87,132.08 C29.2 ; J9.44 71.77,69.2 v1(71.25,69.72) ; v1(76.49,70.1) 76.65,69.94 J9.20 ; J11.12 v1(3.5,43.25) ; R5.2 C9.2 R4.2 ; v1(61.77,134.72) 62.29,134.72 C25.2 ; R8.2 78.54,152.96 78.7,153.12 v1(78.7,153.57) ; J9.43 v1(72.15,65.77) 72.17,65.79 72.52,65.79 72.65,65.65 J9.39 ; v1(4.83,57.91) J11.SH4 v1(4.83,54.1) J11.SH3 v1(4.83,47.62) v1(4.83,41.78) v1(4.83,38.1) ; 3.05,174.89 3.05,174.03 v1(3.07,174.01) ; v2(45.52,93.22) 45.52,92.24 C77.2 ; C113.2 R199.2 ; v1(85.98,100.97) C63.2 86.02,101.56 U11.3 ; J11.42 v1(3.51,50.76) ; v1(85.35,38.87) 85.34,38.86 85.34,38.48 85.08,38.22 C122.2 ; v2(82.86,84.96) 82.86,84.51 82.54,84.19 C83.2 ; v2(25.27,119) 25.27,119.46 25.45,119.63 C35.2 ; 68.71,110.62 v2(69.85,110.62) ; C27.2 61.77,132.72 v1(62.28,133.22) ; v1(63.07,138.79) 63.07,139.38 C20.2 ; v2(82.1,122.99) 81.59,123.51 J5.41 ; C70.2 25.54,91.82 25.4,91.68 25.4,91.08 C78.2 ; v2(72.31,128.91) 72.15,128.67 J5.44 ; J11.54 v1(3.52,53.76) ; U20.5 v1(86.74,44.71) ; J11.24 v1(3.53,46.25) ; v1(74.42,128.91) 74.55,129.03 74.55,130.3 74.82,130.57 C30.2 ; C76.2 38.3,91.38 38.12,91.2 C79.2 ; J11.30 v1(3.55,47.76) ; v1(7.16,76.63) J8.11 ; J11.36 v1(3.56,49.27) ; v1(75.82,70.1) 75.45,69.74 J9.26 ; v2(1.27,104.27) 0.96,104.58 SW5.2 SW5.4 SW4.2 SW4.4 0.96,120.72 1.27,121.03 5.84,121.03 v2(7.23,119.65) ; C62.2 C61.2 v2(9.39,103.34) ; J11.48 v1(3.49,52.26) ; v3(90.48,53.72) 90.88,53.72 91.1,53.5 C110.2 91.64,52.86 91.92,52.58 91.92,51.65 C111.2 ; v1(86.61,88.81) 86.98,88.81 87.22,88.57 R130.2 ; v1(18.11,148.36) 18.11,147.83 18.06,147.78 C13.2 ; J11.6 v1(3.52,41.75) ; J9.14 v1(77.85,70.1) ; J5.46 83.03,125.76 82.68,126.11 81.89,126.11 v1(81.64,125.86) ; U6.5 v2(19.73,165.08) ; C65.2 v2(83.3,100.33)
  TOP w0.216: v1(27.13,116.04) 27.13,117.02 27.13,117.02 C42.2 ; C46.2 36.75,116.06 v1(36.73,116.05) ; C43.2 28.68,117.27 28.93,117.02 28.93,116.25 v1(28.73,116.04) ; v1(38.33,101.64) 38.33,103.64 C59.2 ; C75.2 36.73,92.39 v1(36.73,94.44) ; v1(31.62,107.38) 32.05,107.38 32.18,107.25 R89.2 ; v2(28.73,93.01) 28.73,92.31 C72.2 R119.2 ; v1(34.33,94.44) 34.33,94.02 34.64,93.71 C74.2 ; C47.2 33.55,117.54 33.13,117.11 v1(33.13,116.49) ; v1(33.53,101.64) 33.45,101.72 33.45,102.9 33.8,103.25 C56.2 ; v1(31.15,118.82) 31.03,118.94 C37.2 ; C41.2 25.27,118.24 v2(25.27,119) ; v1(34.33,116.05) 35.07,116.78 C45.2 ; v1(31.2,101.72) 31.2,102.13 32.28,103.21 R99.2 ; C67.2 39.62,94.44 38.33,94.44 v1(38.33,94.44) ; C58.2 36.8,103.64 36.8,101.72 v1(36.73,101.64) ; v2(27.13,93.01) 27.13,92.37 C71.2 ; C73.2 32.26,93.98 v1(32.73,94.44) ; C44.2 38.32,116.06 v1(38.33,116.05)
  TOP w0.229: v1(31.2,101.72) 31.13,101.65 31.13,101 31.53,100.61 U2.J2 ; U3.J2 31.4,114.97 31.4,115.13 31.13,115.4 31.13,116.06 v1(30.94,116.26) ; v1(35.13,109.65) 35.13,109.41 v1(35.13,108.85)
  TOP w0.254: 46.44,84.96 R141.2 ; R141.2 46.86,85.35 ; R141.2 47.28,84.96 ; TP19.1 v1(91.47,62.89) ; C8.2 24.51,161.94 ; C8.2 23.67,162.58 ; C8.2 22.83,161.94 ; C8.2 23.67,161.31 ; U2.B3 v1(37.53,100.04) ; v1(36.73,116.05) 37.13,115.65 U3.B1 ; U1.W3 v1(48.27,113.81) ; U8.57 43.06,132.07 ; U8.57 40.65,134.49 ; U8.57 v4(40.64,132.08) v2(38.1,134.62) ; U8.57 v2(43.18,129.54) ; U8.57 40.65,129.66 ; U8.57 38.11,129.54 v2(38.1,129.54) ; U8.57 38.23,132.07 ; U8.57 43.18,134.61 v2(43.18,134.62) ; U16.5 v1(17.81,72.13) ; v4(39.37,132.08) v2(38.1,132.08) ; v1(73.66,114.94) 73.53,114.94 73.27,115.2 C50.2 73.28,115.59 U10.2 ; 44.44,78.23 C89.2 ; C89.2 44.84,77.81 ; C89.2 44.84,78.65 ; v1(57.87,105.81) U1.H12 v1(57.07,106.61) U1.J12 v1(56.27,106.61) U1.K12 v1(55.47,106.61) U1.L12 54.98,106.29 54.35,106.29 U1.M12 ; U2.E2 v1(35.13,100.84) ; v1(35.13,100.84) U2.E1 34.73,101.24 v1(35.13,101.64) U2.D1 v1(35.13,100.84) ; R216.2 C55.2 69.49,108.38 69.98,108.88 Y1.2 69.98,110.48 v2(69.85,110.62) ; C99.2 51,76.02 ; C99.2 50.58,75.56 ; C99.2 51.42,75.56 ; U1.N18 v1(53.87,101.01) U1.M18 v1(54.67,101.01) U1.L18 v1(55.47,101.01) U1.K18 v1(56.27,101.01) U1.J18 v1(57.07,101.01) U1.H18 U1.G19 ; J8.11 U16.25 v1(11.97,76.63) ; U1.J2 57.07,114.61 v1(57.07,114.61) ; U1.W19 v1(48.27,101.01) U1.W18 ; U1.W19 v1(49.07,100.21) U1.V19 v1(49.87,100.21) ; U1.W19 v1(48.27,100.21) ; v1(11.97,75.13) U16.28 J8.8 ; U15.3 74.94,77.72 v1(74.68,77.98) ; v1(49.07,109.81) U1.W8 48.67,109.41 v1(48.27,109.81) 48.67,110.21 U1.W7 v1(49.07,109.81) ; v1(49.07,109.81) U1.V8 v1(49.87,109.81) U1.U8 50.27,109.41 v1(50.67,109.81) U1.T8 v1(51.47,109.81) U1.R8 v1(52.27,109.81) U1.P8 U1.N8 v1(53.87,109.81) U1.M8 v1(54.67,109.81) U1.L8 55.34,109.69 55.59,109.69 U1.K8 v1(56.27,109.01) U1.J8 56.86,109.6 57.28,109.6 U1.H8 ; U3.M9 29.13,109.24 v1(28.73,108.84) ; 49.71,80.28 C85.2 ; C85.2 50.13,80.68 ; C85.2 49.3,80.68 ; v1(36.73,108.85) 37.13,109.24 U3.B9 ; R78.2 80.05,109.61 80.37,109.92 v1(80.85,109.92) ; v1(48.27,101.81) 48.67,102.21 U1.W17 ; U1.AD22 v1(44.27,97.81) ; U3.B3 37.13,114.04 v1(37.53,114.44) ; v1(11.83,14.41) 11.82,14.43 U22.26 ; J1.27 73.91,163.47 73.79,163.6 v2(73.79,163.83) 73.79,164.14 73.91,164.27 J1.29 ; U1.Y5 v1(48.27,111.41) ; R144.2 51.78,84.96 ; R144.2 51.36,85.35 ; R144.2 50.94,84.96 ; 49.21,84.96 R142.2 ; R142.2 49.63,85.35 ; R142.2 50.05,84.96 ; v4(41.91,132.08) v2(43.18,132.08) ; v2(28.73,93.01) v1(28.73,94.44) U2.M9 ; 49.54,75.76 C98.2 ; C98.2 50.38,75.76 ; C98.2 49.96,76.15 ; 39.62,71.59 J7.10 ; J7.10 39.62,73.44 ; J7.10 38.7,72.52 ; J7.10 40.55,72.52 ; v2(3.94,139.28) 2.17,139.28 0.96,138.07 SW1.4 SW1.2 ; U1.AD7 v1(44.27,110.61) ; v1(51.47,106.61) U1.T11 v1(50.67,107.41) U1.U11 ; v1(51.47,106.61) U1.R12 v1(52.27,106.61) U1.P12 ; v1(51.47,106.61) U1.T12 v1(50.67,106.61) ; v1(83.94,38.22) C122.2 C121.2 ; J1.9 v1(73.88,153.07) ; C107.2 88.5,59.64 v1(87.25,59.64) ; U3.D8 35.53,110.04 v1(35.13,109.65) 34.74,110.04 U3.E8 ; U2.F9 v1(34.33,94.44) 34.55,94.44 34.56,94.44 34.9,94.44 34.9,94.44 v1(35.13,94.44) ; U2.F9 v1(34.33,95.24) U2.E8 ; U2.F9 v1(33.53,95.24) ; U19.6 51.43,44.73 v1(51.43,46.1) ; 76.99,165.88 C3.2 ; C3.2 78,165.25 ; C3.2 79.02,165.88 ; R119.2 28.07,91.24 v2(28.04,91.26) ; v1(48.27,109.01) 48.67,108.61 U1.W9 ; 43.9,135.39 U8.15 ; U8.15 43.9,136.46 ; U8.15 44.2,135.93 ; U22.4 8.96,18.6 v1(8.96,18.73) 8.96,19.18 9.12,19.34 C125.2 ; C126.2 6.55,12.15 v1(6.55,12.68) 6.57,12.71 6.83,12.71 6.96,12.85 U22.17 ; U2.B1 v1(36.73,101.64) ; 48.18,76.26 C96.2 ; C96.2 49.35,76.26 ; C96.2 48.77,75.73 ; C96.2 48.77,76.78 ; U16.8 v1(17.81,73.63) ; U1.AD10 v1(44.27,108.21) ; v1(33.53,95.24) U2.G9 33.13,94.84 v1(32.73,94.44) ; v1(33.53,95.24) U2.G8 ; U2.P1 v1(27.18,101.57) ; C91.2 56.12,77.87 v1(56.13,77.85) C93.2 ; 52.67,84.96 R146.2 ; R146.2 53.09,85.35 ; R146.2 53.51,84.96 ; v1(50.67,100.21) U1.U19 ; R145.2 52.22,85.35 ; R145.2 51.8,84.96 ; R145.2 52.64,84.96 ; U3.D1 35.54,115.64 v1(35.93,115.25) ; v1(57.87,103.41) U1.H15 v1(57.07,103.41) U1.J15 v1(56.27,103.41) U1.K15 v1(55.47,103.41) U1.L15 v1(54.67,103.41) 54.27,103.81 U1.M15 v1(53.87,103.41) U1.N15 U1.P15 52.67,103.81 v1(52.27,103.41) U1.R15 v1(51.47,103.41) U1.T15 v1(50.67,103.41) U1.U15 v1(49.87,103.41) ; 33.13,109.24 33.14,109.24 v1(33.53,108.85) 33.53,108.85 U3.F9 33.93,109.25 v1(33.53,109.65) ; 33.13,109.24 U3.G9 33.13,109.24 v1(32.73,108.85) ; 33.13,109.24 v1(33.53,109.65) ; v1(72.97,78.49) 72.97,78.49 72.71,78.49 72.39,78.8 U14.4 ; v1(50.67,106.61) U1.U11 ; v1(50.67,106.61) U1.U12 v1(49.87,106.61) U1.U11 ; U1.U11 v1(49.87,107.41) ; C106.2 86.1,59.98 86.91,59.98 v1(87.25,59.64) ; C76.2 38.94,92.28 v1(38.96,92.25) ; U1.W15 v1(48.27,103.41) ; 68.71,110.62 67.76,111.57 Y1.4 ; R143.2 50.5,85.35 ; R143.2 50.91,84.96 ; R143.2 50.08,84.96 ; 18.82,165.58 C10.2 ; C10.2 18.82,166.62 ; C10.2 19.41,166.1 ; J1.4 65.9,151.07 v2(65.53,151.43) ; v1(56.27,108.21) U1.K10 55.47,108.21 v1(55.47,108.21) U1.L10 54.67,108.21 v1(54.67,108.21) U1.M10 v1(53.87,108.21) U1.N10 U1.P10 52.27,108.21 v1(52.27,108.21) ; J9.1 v1(80.25,63.76) 80.26,63.75 80.64,63.75 80.75,63.86 J9.41 ; C114.2 R199.2 v1(83.19,45.08) ; v1(59.47,112.21) U1.F5 ; 49.15,71.87 R166.2 ; R166.2 v1(49.78,72.27) ; R166.2 48.73,72.27 ; J1.15 v1(73.88,155.47) ; v1(33.53,109.65) 33.14,110.04 U3.G8 ; v1(87.25,59.64) C109.2 ; U2.A9 v1(38.33,94.44) ; v1(80.87,75.16) 80.64,74.93 80.18,74.93 80.05,74.8 C100.2 ; v1(83.46,176.96) 84.56,176.96 TP1.1 ; v1(34.33,115.25) 34.73,114.85 U3.E2 ; U8.14 45.03,135.32 ; U8.14 44.5,135.63 ; U8.14 43.96,135.32 ; C90.2 52.58,77.89 ; C90.2 52.58,77.05 ; C90.2 52.19,77.47 ; U13.3 v1(10.94,96.02) ; v1(51.47,100.21) U1.T19 ; C39.2 C40.2 48.86,119.03 v2(48.86,119.67) ; 23.47,123.62 C31.2 ; C31.2 22.83,124.64 ; C31.2 23.47,125.65 ; C31.2 24.1,124.64 ; R140.2 46.39,84.96 ; R140.2 45.55,84.96 ; R140.2 45.97,85.35 ; C87.2 v1(18.84,80.82) ; U1.W11 v1(48.27,107.41) ; J8.2 9.7,72.13 U16.34 v1(11.98,72.13) ; v4(40.64,130.81) v2(40.64,129.54) ; 52.07,75.69 C97.2 ; C97.2 52.65,76.21 ; C97.2 51.49,76.21 ; C97.2 52.07,76.74 ; U2.T1 25.53,100.84 v1(25.25,100.84) 24.2,100.84 C64.2 ; J7.14 22.81,72.59 ; J7.14 23.8,71.6 ; J7.14 21.82,71.6 ; J7.14 22.81,70.41 ; U3.G1 33.13,115.81 33.08,115.86 33.08,116.24 33.13,116.29 v1(33.13,116.49) ; 43.44,87.88 C80.2 43.05,88.3 ; U1.W10 v1(48.27,108.21) ; v1(59.47,111.41) U1.F6 ; C70.2 25.51,92.3 v2(25.51,93.01) 25.51,94.43 v1(25.53,94.44) U2.T9 ; v1(59.47,110.61) U1.F7 59.18,110.1 59.18,109.53 U1.F8 ; U1.Y24 v1(47.47,96.21) ; U3.P9 v1(27.05,108.77) ; U2.D8 v1(35.93,95.24) ; J9.46 v1(83.08,66.1) ; U2.G1 33.13,101.24 v1(32.73,101.64) ; U2.G1 v1(33.53,101.64) ; U2.G1 v1(33.53,100.84) ; U1.AD19 v1(44.27,101.01) ; v1(14.35,80.64) 14.05,80.34 C86.2 R151.2 ; 48.54,80.24 C84.2 ; C84.2 49.12,80.76 ; C84.2 47.95,80.76 ; C84.2 48.54,81.28 ; U3.E1 34.73,115.65 v1(34.33,116.05) ; v1(61.87,113.01) U1.C4 ; 18.86,164.22 R7.2 18.02,164.22 ; v1(63.47,113.01) U1.A4 ; v1(45.06,113.01) 44.67,112.62 U1.AD4 ; v1(46.67,110.61) 47.05,110.21 U1.AA7 ; C130.2 85.28,158.3 85.5,158.09 v1(85.85,158.09) 85.9,158.14 C129.2 ; C92.2 47.62,77.51 ; C92.2 48.01,77.09 ; C92.2 47.62,76.67 ; 44.44,75.95 C95.2 ; C95.2 44.84,76.37 ; C95.2 44.84,75.53 ; U22.20 8.46,12.95 8.69,12.72 8.69,12.62 v1(9.03,12.28) ; J1.18 v2(68.68,159.87) ; v1(60.27,111.41) U1.E6 ; Q4.2 v1(81.97,72.52) ; v1(44.27,105.81) U1.AD13 ; U3.J8 v1(31.25,110.32) ; U2.B9 v1(36.73,94.44) ; U1.W12 v1(48.27,106.61) ; 19.35,162.81 U6.11 22.1,162.81 ; C52.2 39.61,108.85 v1(38.33,108.85) 37.94,109.24 U3.A9 ; v1(20.19,124.49) C597.2 ; v1(65.28,135.25) 65.28,134.38 C26.2 ; v1(43.47,115.41) U1.AE1 ; 47.24,79.17 C88.2 ; C88.2 47.24,80.22 ; C88.2 47.83,79.69 ; C119.2 v1(83.83,40.77) ; v1(28.8,101.59) U2.M1 ; U1.AA19 v1(46.67,100.21) ; v1(61.07,109.81) U1.D8 ; C112.2 86.91,47.32 v1(86.91,46.31) ; v1(61.87,108.21) U1.C10 ; R185.2 76.72,59.45 76.45,59.18 75.95,59.18 v1(75.94,59.18) ; U16.11 v1(17.81,75.13) ; v1(61.87,115.41) U1.C1 ; C102.2 v1(77.98,71.75) ; v1(63.47,109.81) U1.A8 ; v1(8.25,174.07) 8.13,174.19 D1.C 8.14,175.13 9.19,175.13 9.42,175.36 9.42,176.17 9.91,176.66 11.29,176.66 D2.C ; C117.2 v1(14.1,42.67) ; J9.45 v1(69.83,65.93) ; v2(73.67,161.7) 73.67,161.2 73.79,161.07 J1.21 ; R195.2 81.27,52.93 v3(81.57,53.22) ; v1(46.67,102.61) U1.AA16 ; U1.L5 v1(55.47,112.21) ; v1(60.27,112.21) U1.E5 ; U1.AB24 v1(45.87,96.21) ; U3.M1 v1(28.73,116.04) ; U16.3 v1(17.81,71.13) ; v1(61.07,113.81) U1.D3 ; v1(58.67,108.21) U1.G10 ; U2.P9 v1(27.13,94.44) v2(27.13,93.01) ; J11.59 v1(9.54,55.26) ; C21.2 60.24,137.73 v1(59.74,137.73) 59.31,137.29 59.31,136.81 C22.2 ; C94.2 v1(76.96,77.6) ; C128.2 v1(5.74,10.34) ; v2(45.34,130.82) U8.5 43.96,130.82 ; U21.3 v1(85.35,38.87) ; v1(46.67,105.81) U1.AA13 ; C53.2 25.52,108.83 v1(25.53,108.84) U3.T9 ; U3.T1 v1(25.53,116.04) ; U1.C6 v1(61.87,111.41) ; U1.AB3 v1(45.87,113.81) ; 70.74,73.66 70.67,73.59 C104.2 ; v2(65.41,109.73) 65.41,109.36 C54.2 ; U1.P18 v1(52.27,101.81) U1.R17 51.87,102.21 v1(51.47,101.81) U1.T17 51.07,102.21 v1(50.67,101.81) U1.U17 50.27,102.21 v1(49.87,101.81) ; 80.19,165.27 C2.2 ; C2.2 81.2,165.91 ; C2.2 79.17,165.91 ; v1(58.67,113.81) U1.G3 ; v1(46.67,108.21) U1.AA10 ; U19.15 58.17,51.23 57.76,50.83 v1(57.76,50.34) ; v4(40.64,133.35) v2(40.64,134.62) ; U16.14 v1(17.81,76.63) ; v1(11.2,12.76) 10.71,12.76 10.47,13.01 U22.24 ; C82.2 45.38,84.96 ; C82.2 44.54,84.96 ; C82.2 44.96,85.35 ; U1.W13 v1(48.27,105.81) ; U19.24 v1(51.38,56.08) ; C103.2 v1(80.64,71.75) ; J13.8 v1(88.8,158.1) ; 18.95,158.74 R5.2 18.53,159.14 ; U1.L2 55.47,114.61 v1(55.47,114.61) ; R38.2 R37.2 58.45,122.76 v1(58.7,123.01) ; v1(11.98,73.63) U16.31 J8.5 ; U16.36 v1(9.86,71.13) ; U1.A13 v1(63.47,105.81) ; v1(62.67,113.01) U1.B4 ; U1.A25 v1(63.07,95.12) ; J11.53 v1(9.56,53.76) ; C120.2 v1(82.93,39.37) ; C16.2 R15.2 69.27,147.24 v1(68.96,147.55) ; D11.C 23.5,67.07 23.5,67.94 ; U8.32 37.56,133.82 ; U1.AE25 v1(43.24,95.81) ; U1.AD16 v1(44.27,102.61) ; J13.20 v1(86.45,164.1) ; U2.J8 v1(31.93,96.04) ; v1(61.07,111.41) U1.D6 ; U1.W16 v1(48.27,102.61) ; C116.2 v1(9.53,43.05) ; Q501.2 v1(21.34,170.74) ; U1.AA22 v1(46.67,97.81) ; TP26.1 v1(4.98,30.07) ; U3.P1 v1(27.13,116.04)
  TOP w0.305: Q2.2 83.72,88.11 v1(83.06,88.77)